# EAGLE board 14202-RedBoard-Panel (EAGLE 9.0.1), part 3 of 6 (continued)
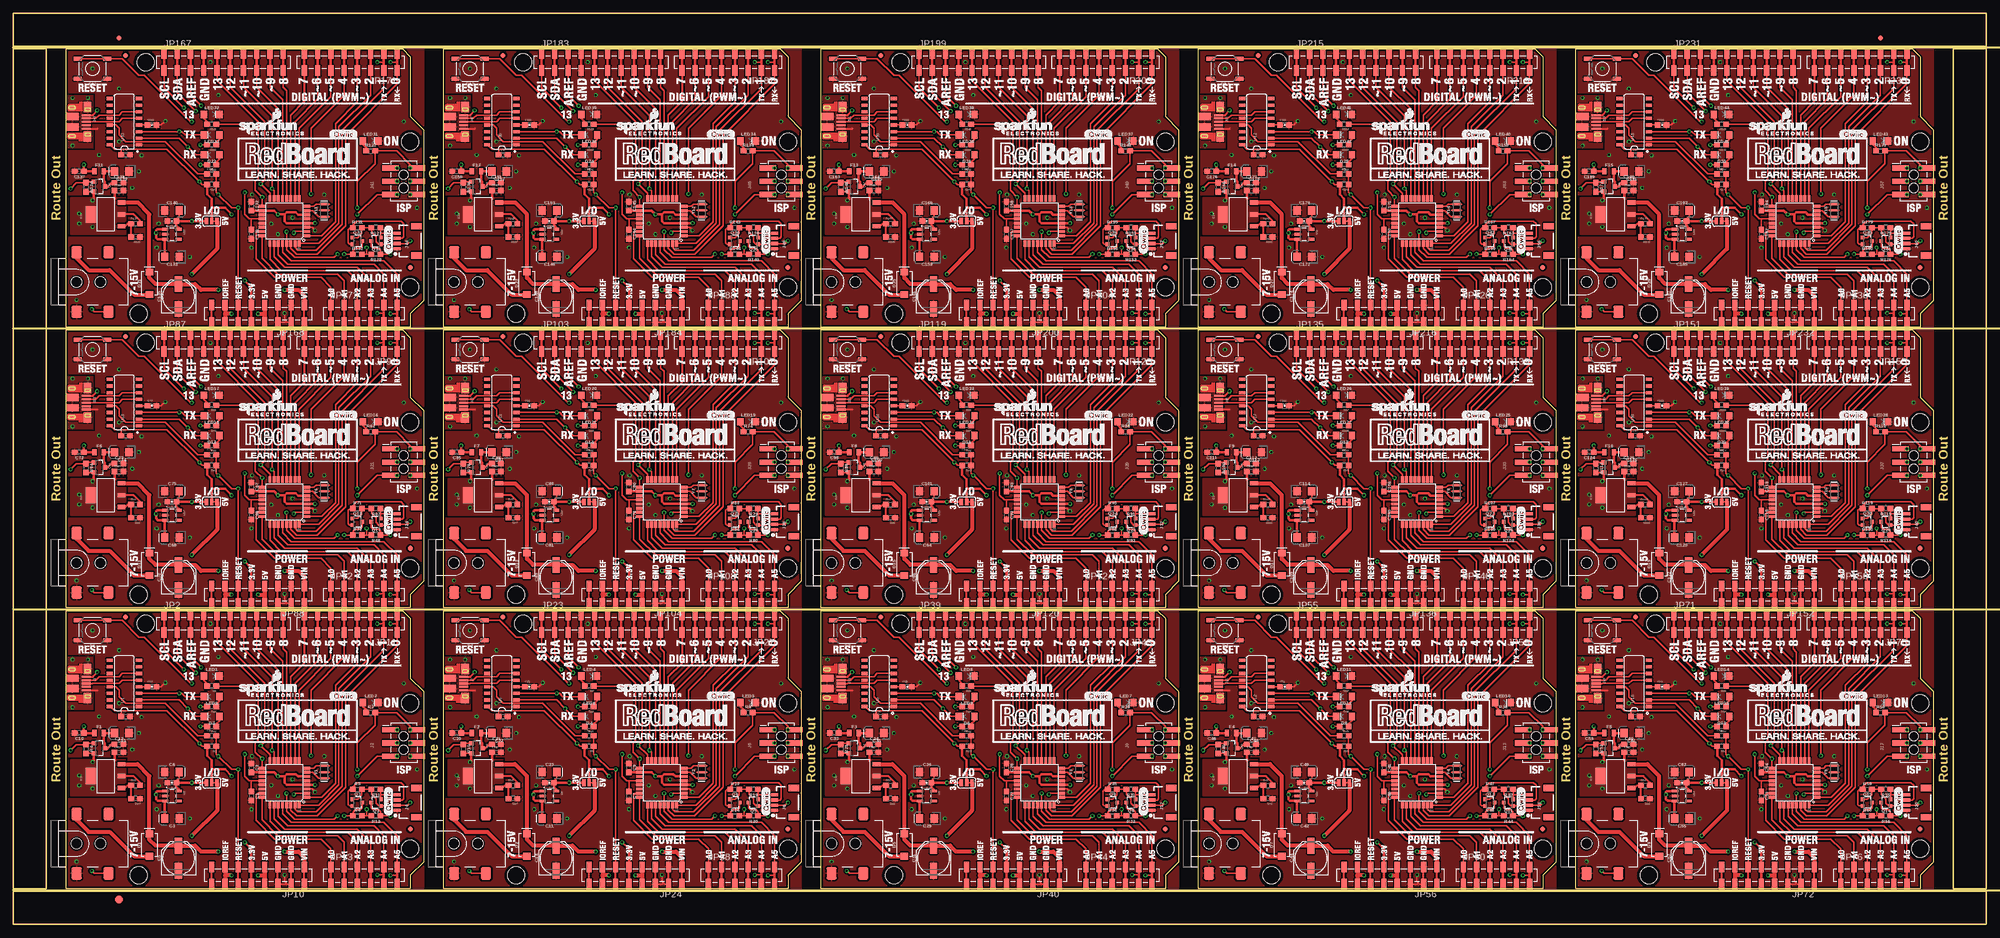
[diagram p0: board, top side]
## Tracks (layer width: path | path; a pad name or v marks a point on that pad's centre or on a via) (continued)
AD5/SCL4  (via drill 0.38)
  Top 0.254: 363.22,9.4 JP76.6B | JP71.1A JP71.1B
  Top 0.305: U13.28 341.23,21.23 342.9,19.56 359.92,19.56 360.68,19.56 363.22,17.02 JP76.6A 363.22,9.4 v361.95,9.4 | JP71.1B 318.52,52.7 v322.33,48.89
  Bottom 0.305: JP77.2 v361.95,9.4 361.06,8.51 358.9,8.51 351.66,15.75 336.04,15.75 329.82,21.97 329.82,41.78 322.71,48.89 v322.33,48.89
AD5/SCL5  (via drill 0.38)
  Top 0.254: 73.66,63.25 JP92.6B | JP87.1A JP87.1B
  Top 0.305: U16.28 51.67,75.08 53.34,73.41 70.36,73.41 71.12,73.41 73.66,70.87 JP92.6A 73.66,63.25 v72.39,63.25 | JP87.1B 28.96,106.55 v32.77,102.74
  Bottom 0.305: JP93.2 v72.39,63.25 71.5,62.36 69.34,62.36 62.1,69.6 46.48,69.6 40.26,75.82 40.26,95.63 33.15,102.74 v32.77,102.74
AD5/SCL6  (via drill 0.38)
  Top 0.254: 146.05,63.25 JP108.6B | JP103.1A JP103.1B
  Top 0.305: U19.28 124.06,75.08 125.73,73.41 142.75,73.41 143.51,73.41 146.05,70.87 JP108.6A 146.05,63.25 v144.78,63.25 | JP103.1B 101.35,106.55 v105.16,102.74
  Bottom 0.305: JP109.2 v144.78,63.25 143.89,62.36 141.73,62.36 134.49,69.6 118.87,69.6 112.65,75.82 112.65,95.63 105.54,102.74 v105.16,102.74
AD5/SCL7  (via drill 0.38)
  Top 0.254: 218.44,63.25 JP124.6B | JP119.1A JP119.1B
  Top 0.305: U22.28 196.45,75.08 198.12,73.41 215.14,73.41 215.9,73.41 218.44,70.87 JP124.6A 218.44,63.25 v217.17,63.25 | JP119.1B 173.74,106.55 v177.55,102.74
  Bottom 0.305: JP125.2 v217.17,63.25 216.28,62.36 214.12,62.36 206.88,69.6 191.26,69.6 185.04,75.82 185.04,95.63 177.93,102.74 v177.55,102.74
AD5/SCL8  (via drill 0.38)
  Top 0.254: 290.83,63.25 JP140.6B | JP135.1A JP135.1B
  Top 0.305: U25.28 268.84,75.08 270.51,73.41 287.53,73.41 288.29,73.41 290.83,70.87 JP140.6A 290.83,63.25 v289.56,63.25 | JP135.1B 246.13,106.55 v249.94,102.74
  Bottom 0.305: JP141.2 v289.56,63.25 288.67,62.36 286.51,62.36 279.27,69.6 263.65,69.6 257.43,75.82 257.43,95.63 250.32,102.74 v249.94,102.74
AD5/SCL9  (via drill 0.38)
  Top 0.254: 363.22,63.25 JP156.6B | JP151.1A JP151.1B
  Top 0.305: U28.28 341.23,75.08 342.9,73.41 359.92,73.41 360.68,73.41 363.22,70.87 JP156.6A 363.22,63.25 v361.95,63.25 | JP151.1B 318.52,106.55 v322.33,102.74
  Bottom 0.305: JP157.2 v361.95,63.25 361.06,62.36 358.9,62.36 351.66,69.6 336.04,69.6 329.82,75.82 329.82,95.63 322.71,102.74 v322.33,102.74
AD5/SCL10  (via drill 0.38)
  Top 0.254: 73.66,117.09 JP172.6B | JP167.1A JP167.1B
  Top 0.305: U31.28 51.67,128.92 53.34,127.25 70.36,127.25 71.12,127.25 73.66,124.71 JP172.6A 73.66,117.09 v72.39,117.09 | JP167.1B 28.96,160.4 v32.77,156.59
  Bottom 0.305: JP173.2 v72.39,117.09 71.5,116.2 69.34,116.2 62.1,123.44 46.48,123.44 40.26,129.67 40.26,149.48 33.15,156.59 v32.77,156.59
AD5/SCL11  (via drill 0.38)
  Top 0.254: 146.05,117.09 JP188.6B | JP183.1A JP183.1B
  Top 0.305: U34.28 124.06,128.92 125.73,127.25 142.75,127.25 143.51,127.25 146.05,124.71 JP188.6A 146.05,117.09 v144.78,117.09 | JP183.1B 101.35,160.4 v105.16,156.59
  Bottom 0.305: JP189.2 v144.78,117.09 143.89,116.2 141.73,116.2 134.49,123.44 118.87,123.44 112.65,129.67 112.65,149.48 105.54,156.59 v105.16,156.59
AD5/SCL12  (via drill 0.38)
  Top 0.254: 218.44,117.09 JP204.6B | JP199.1A JP199.1B
  Top 0.305: U37.28 196.45,128.92 198.12,127.25 215.14,127.25 215.9,127.25 218.44,124.71 JP204.6A 218.44,117.09 v217.17,117.09 | JP199.1B 173.74,160.4 v177.55,156.59
  Bottom 0.305: JP205.2 v217.17,117.09 216.28,116.2 214.12,116.2 206.88,123.44 191.26,123.44 185.04,129.67 185.04,149.48 177.93,156.59 v177.55,156.59
AD5/SCL13  (via drill 0.38)
  Top 0.254: 290.83,117.09 JP220.6B | JP215.1A JP215.1B
  Top 0.305: U40.28 268.84,128.92 270.51,127.25 287.53,127.25 288.29,127.25 290.83,124.71 JP220.6A 290.83,117.09 v289.56,117.09 | JP215.1B 246.13,160.4 v249.94,156.59
  Bottom 0.305: JP221.2 v289.56,117.09 288.67,116.2 286.51,116.2 279.27,123.44 263.65,123.44 257.43,129.67 257.43,149.48 250.32,156.59 v249.94,156.59
AD5/SCL14  (via drill 0.38)
  Top 0.254: 363.22,117.09 JP236.6B | JP231.1A JP231.1B
  Top 0.305: U43.28 341.23,128.92 342.9,127.25 359.92,127.25 360.68,127.25 363.22,124.71 JP236.6A 363.22,117.09 v361.95,117.09 | JP231.1B 318.52,160.4 v322.33,156.59
  Bottom 0.305: JP237.2 v361.95,117.09 361.06,116.2 358.9,116.2 351.66,123.44 336.04,123.44 329.82,129.67 329.82,149.48 322.71,156.59 v322.33,156.59
AD6
  Top 0.254: JP28.3B 138.43,8.13
  Top 0.305: U2.25 121.66,19.82 123.83,17.65 136.53,17.65 138.43,15.75 138.43,8.13 JP28.3A
AD7
  Top 0.254: JP28.4A JP28.4B
  Top 0.305: U2.26 122.46,20.29 124.46,18.29 138.43,18.29 140.97,15.75 JP28.4A
AD8
  Top 0.254: JP44.1B JP44.1A
  Top 0.305: JP44.1A 205.74,14.48 203.84,16.38 194.94,16.38 191.39,19.94 191.39,24.89 191.67,25.18 U7.23
AD9
  Top 0.254: JP44.2A JP44.2B
  Top 0.305: U7.24 192.56,20.04 195.58,17.02 207.01,17.02 208.28,15.75 JP44.2A
AD10
  Top 0.254: JP44.3B 210.82,8.13
  Top 0.305: U7.25 194.05,19.82 196.22,17.65 208.91,17.65 210.82,15.75 210.82,8.13 JP44.3A
AD11
  Top 0.254: JP44.4A JP44.4B
  Top 0.305: U7.26 194.85,20.29 196.85,18.29 210.82,18.29 213.36,15.75 JP44.4A
AD12
  Top 0.254: JP60.1B JP60.1A
  Top 0.305: JP60.1A 278.13,14.48 276.23,16.38 267.34,16.38 263.78,19.94 263.78,24.89 264.06,25.18 U10.23
AD13
  Top 0.254: JP60.2A JP60.2B
  Top 0.305: U10.24 264.95,20.04 267.97,17.02 279.4,17.02 280.67,15.75 JP60.2A
AD14
  Top 0.254: JP60.3B 283.21,8.13
  Top 0.305: U10.25 266.44,19.82 268.61,17.65 281.31,17.65 283.21,15.75 283.21,8.13 JP60.3A
AD15
  Top 0.254: JP60.4A JP60.4B
  Top 0.305: U10.26 267.24,20.29 269.24,18.29 283.21,18.29 285.75,15.75 JP60.4A
AD16
  Top 0.254: JP76.1B JP76.1A
  Top 0.305: JP76.1A 350.52,14.48 348.62,16.38 339.73,16.38 336.17,19.94 336.17,24.89 336.46,25.18 U13.23
AD17
  Top 0.254: JP76.2A JP76.2B
  Top 0.305: U13.24 337.34,20.04 340.36,17.02 351.79,17.02 353.06,15.75 JP76.2A
AD18
  Top 0.254: JP76.3B 355.6,8.13
  Top 0.305: U13.25 338.83,19.82 341,17.65 353.7,17.65 355.6,15.75 355.6,8.13 JP76.3A
AD19
  Top 0.254: JP76.4A JP76.4B
  Top 0.305: U13.26 339.63,20.29 341.63,18.29 355.6,18.29 358.14,15.75 JP76.4A
AD20
  Top 0.254: JP92.1B JP92.1A
  Top 0.305: JP92.1A 60.96,68.33 59.06,70.23 50.17,70.23 46.61,73.79 46.61,78.74 46.89,79.03 U16.23
AD21
  Top 0.254: JP92.2A JP92.2B
  Top 0.305: U16.24 47.78,73.89 50.8,70.87 62.23,70.87 63.5,69.6 JP92.2A
AD22
  Top 0.254: JP92.3B 66.04,61.98
  Top 0.305: U16.25 49.27,73.67 51.44,71.5 64.14,71.5 66.04,69.6 66.04,61.98 JP92.3A
AD23
  Top 0.254: JP92.4A JP92.4B
  Top 0.305: U16.26 50.07,74.14 52.07,72.14 66.04,72.14 68.58,69.6 JP92.4A
AD24
  Top 0.254: JP108.1B JP108.1A
  Top 0.305: JP108.1A 133.35,68.33 131.44,70.23 122.55,70.23 119,73.79 119,78.74 119.28,79.03 U19.23
AD25
  Top 0.254: JP108.2A JP108.2B
  Top 0.305: U19.24 120.17,73.89 123.19,70.87 134.62,70.87 135.89,69.6 JP108.2A
AD26
  Top 0.254: JP108.3B 138.43,61.98
  Top 0.305: U19.25 121.66,73.67 123.83,71.5 136.53,71.5 138.43,69.6 138.43,61.98 JP108.3A
AD27
  Top 0.254: JP108.4A JP108.4B
  Top 0.305: U19.26 122.46,74.14 124.46,72.14 138.43,72.14 140.97,69.6 JP108.4A
AD28
  Top 0.254: JP124.1B JP124.1A
  Top 0.305: JP124.1A 205.74,68.33 203.84,70.23 194.94,70.23 191.39,73.79 191.39,78.74 191.67,79.03 U22.23
AD29
  Top 0.254: JP124.2A JP124.2B
  Top 0.305: U22.24 192.56,73.89 195.58,70.87 207.01,70.87 208.28,69.6 JP124.2A
AD30
  Top 0.254: JP124.3B 210.82,61.98
  Top 0.305: U22.25 194.05,73.67 196.22,71.5 208.91,71.5 210.82,69.6 210.82,61.98 JP124.3A
AD31
  Top 0.254: JP124.4A JP124.4B
  Top 0.305: U22.26 194.85,74.14 196.85,72.14 210.82,72.14 213.36,69.6 JP124.4A
AD32
  Top 0.254: JP140.1B JP140.1A
  Top 0.305: JP140.1A 278.13,68.33 276.23,70.23 267.34,70.23 263.78,73.79 263.78,78.74 264.06,79.03 U25.23
AD33
  Top 0.254: JP140.2A JP140.2B
  Top 0.305: U25.24 264.95,73.89 267.97,70.87 279.4,70.87 280.67,69.6 JP140.2A
AD34
  Top 0.254: JP140.3B 283.21,61.98
  Top 0.305: U25.25 266.44,73.67 268.61,71.5 281.31,71.5 283.21,69.6 283.21,61.98 JP140.3A
AD35
  Top 0.254: JP140.4A JP140.4B
  Top 0.305: U25.26 267.24,74.14 269.24,72.14 283.21,72.14 285.75,69.6 JP140.4A
AD36
  Top 0.254: JP156.1B JP156.1A
  Top 0.305: JP156.1A 350.52,68.33 348.62,70.23 339.73,70.23 336.17,73.79 336.17,78.74 336.46,79.03 U28.23
AD37
  Top 0.254: JP156.2A JP156.2B
  Top 0.305: U28.24 337.34,73.89 340.36,70.87 351.79,70.87 353.06,69.6 JP156.2A
AD38
  Top 0.254: JP156.3B 355.6,61.98
  Top 0.305: U28.25 338.83,73.67 341,71.5 353.7,71.5 355.6,69.6 355.6,61.98 JP156.3A
AD39
  Top 0.254: JP156.4A JP156.4B
  Top 0.305: U28.26 339.63,74.14 341.63,72.14 355.6,72.14 358.14,69.6 JP156.4A
AD40
  Top 0.254: JP172.1B JP172.1A
  Top 0.305: JP172.1A 60.96,122.17 59.06,124.08 50.17,124.08 46.61,127.64 46.61,132.59 46.89,132.87 U31.23
AD41
  Top 0.254: JP172.2A JP172.2B
  Top 0.305: U31.24 47.78,127.74 50.8,124.71 62.23,124.71 63.5,123.44 JP172.2A
AD42
  Top 0.254: JP172.3B 66.04,115.82
  Top 0.305: U31.25 49.27,127.51 51.44,125.35 64.14,125.35 66.04,123.44 66.04,115.82 JP172.3A
AD43
  Top 0.254: JP172.4A JP172.4B
  Top 0.305: U31.26 50.07,127.98 52.07,125.98 66.04,125.98 68.58,123.44 JP172.4A
AD44
  Top 0.254: JP188.1B JP188.1A
  Top 0.305: JP188.1A 133.35,122.17 131.44,124.08 122.55,124.08 119,127.64 119,132.59 119.28,132.87 U34.23
AD45
  Top 0.254: JP188.2A JP188.2B
  Top 0.305: U34.24 120.17,127.74 123.19,124.71 134.62,124.71 135.89,123.44 JP188.2A
AD46
  Top 0.254: JP188.3B 138.43,115.82
  Top 0.305: U34.25 121.66,127.51 123.83,125.35 136.53,125.35 138.43,123.44 138.43,115.82 JP188.3A
AD47
  Top 0.254: JP188.4A JP188.4B
  Top 0.305: U34.26 122.46,127.98 124.46,125.98 138.43,125.98 140.97,123.44 JP188.4A
AD48
  Top 0.254: JP204.1B JP204.1A
  Top 0.305: JP204.1A 205.74,122.17 203.84,124.08 194.94,124.08 191.39,127.64 191.39,132.59 191.67,132.87 U37.23
AD49
  Top 0.254: JP204.2A JP204.2B
  Top 0.305: U37.24 192.56,127.74 195.58,124.71 207.01,124.71 208.28,123.44 JP204.2A
AD50
  Top 0.254: JP204.3B 210.82,115.82
  Top 0.305: U37.25 194.05,127.51 196.22,125.35 208.91,125.35 210.82,123.44 210.82,115.82 JP204.3A
AD51
  Top 0.254: JP204.4A JP204.4B
  Top 0.305: U37.26 194.85,127.98 196.85,125.98 210.82,125.98 213.36,123.44 JP204.4A
AD52
  Top 0.254: JP220.1B JP220.1A
  Top 0.305: JP220.1A 278.13,122.17 276.23,124.08 267.34,124.08 263.78,127.64 263.78,132.59 264.06,132.87 U40.23
AD53
  Top 0.254: JP220.2A JP220.2B
  Top 0.305: U40.24 264.95,127.74 267.97,124.71 279.4,124.71 280.67,123.44 JP220.2A
AD54
  Top 0.254: JP220.3B 283.21,115.82
  Top 0.305: U40.25 266.44,127.51 268.61,125.35 281.31,125.35 283.21,123.44 283.21,115.82 JP220.3A
AD55
  Top 0.254: JP220.4A JP220.4B
  Top 0.305: U40.26 267.24,127.98 269.24,125.98 283.21,125.98 285.75,123.44 JP220.4A
AD56
  Top 0.254: JP236.1B JP236.1A
  Top 0.305: JP236.1A 350.52,122.17 348.62,124.08 339.73,124.08 336.17,127.64 336.17,132.59 336.46,132.87 U43.23
AD57
  Top 0.254: JP236.2A JP236.2B
  Top 0.305: U43.24 337.34,127.74 340.36,124.71 351.79,124.71 353.06,123.44 JP236.2A
AD58
  Top 0.254: JP236.3B 355.6,115.82
  Top 0.305: U43.25 338.83,127.51 341,125.35 353.7,125.35 355.6,123.44 355.6,115.82 JP236.3A
AD59
  Top 0.254: JP236.4A JP236.4B
  Top 0.305: U43.26 339.63,127.98 341.63,125.98 355.6,125.98 358.14,123.44 JP236.4A
AREF  (via drill 0.38)
  Top 0.254: JP2.3A JP2.3B
  Top 0.305: 45.72,27.58 45.32,27.58 44.45,28.45 v44.45,32.64 | 45.72,27.58 U4.20 | C1.1 45.72,27.58 | JP2.3B 34.04,51.31 v36.07,49.28
  Bottom 0.305: v36.07,49.28 44.45,40.89 v44.45,32.64
AREF1  (via drill 0.38)
  Top 0.254: JP23.3A JP23.3B
  Top 0.305: 118.11,27.58 117.71,27.58 116.84,28.45 v116.84,32.64 | 118.11,27.58 U2.20 | C7.1 118.11,27.58 | JP23.3B 106.43,51.31 v108.46,49.28
  Bottom 0.305: v108.46,49.28 116.84,40.89 v116.84,32.64
AREF2  (via drill 0.38)
  Top 0.254: JP39.3A JP39.3B
  Top 0.305: 190.5,27.58 190.1,27.58 189.23,28.45 v189.23,32.64 | 190.5,27.58 U7.20 | C27.1 190.5,27.58 | JP39.3B 178.82,51.31 v180.85,49.28
  Bottom 0.305: v180.85,49.28 189.23,40.89 v189.23,32.64
AREF3  (via drill 0.38)
  Top 0.254: JP55.3A JP55.3B
  Top 0.305: 262.89,27.58 262.49,27.58 261.62,28.45 v261.62,32.64 | 262.89,27.58 U10.20 | C40.1 262.89,27.58 | JP55.3B 251.21,51.31 v253.24,49.28
  Bottom 0.305: v253.24,49.28 261.62,40.89 v261.62,32.64
AREF4  (via drill 0.38)
  Top 0.254: JP71.3A JP71.3B
  Top 0.305: 335.28,27.58 334.88,27.58 334.01,28.45 v334.01,32.64 | 335.28,27.58 U13.20 | C53.1 335.28,27.58 | JP71.3B 323.6,51.31 v325.63,49.28
  Bottom 0.305: v325.63,49.28 334.01,40.89 v334.01,32.64
AREF5  (via drill 0.38)
  Top 0.254: JP87.3A JP87.3B
  Top 0.305: 45.72,81.43 45.32,81.43 44.45,82.3 v44.45,86.49 | 45.72,81.43 U16.20 | C66.1 45.72,81.43 | JP87.3B 34.04,105.16 v36.07,103.12
  Bottom 0.305: v36.07,103.12 44.45,94.74 v44.45,86.49
AREF6  (via drill 0.38)
  Top 0.254: JP103.3A JP103.3B
  Top 0.305: 118.11,81.43 117.71,81.43 116.84,82.3 v116.84,86.49 | 118.11,81.43 U19.20 | C79.1 118.11,81.43 | JP103.3B 106.43,105.16 v108.46,103.12
  Bottom 0.305: v108.46,103.12 116.84,94.74 v116.84,86.49
AREF7  (via drill 0.38)
  Top 0.254: JP119.3A JP119.3B
  Top 0.305: 190.5,81.43 190.1,81.43 189.23,82.3 v189.23,86.49 | 190.5,81.43 U22.20 | C92.1 190.5,81.43 | JP119.3B 178.82,105.16 v180.85,103.12
  Bottom 0.305: v180.85,103.12 189.23,94.74 v189.23,86.49
AREF8  (via drill 0.38)
  Top 0.254: JP135.3A JP135.3B
  Top 0.305: 262.89,81.43 262.49,81.43 261.62,82.3 v261.62,86.49 | 262.89,81.43 U25.20 | C105.1 262.89,81.43 | JP135.3B 251.21,105.16 v253.24,103.12
  Bottom 0.305: v253.24,103.12 261.62,94.74 v261.62,86.49
AREF9  (via drill 0.38)
  Top 0.254: JP151.3A JP151.3B
  Top 0.305: 335.28,81.43 334.88,81.43 334.01,82.3 v334.01,86.49 | 335.28,81.43 U28.20 | C118.1 335.28,81.43 | JP151.3B 323.6,105.16 v325.63,103.12
  Bottom 0.305: v325.63,103.12 334.01,94.74 v334.01,86.49
AREF10  (via drill 0.38)
  Top 0.254: JP167.3A JP167.3B
  Top 0.305: 45.72,135.27 45.32,135.27 44.45,136.14 v44.45,140.34 | 45.72,135.27 U31.20 | C131.1 45.72,135.27 | JP167.3B 34.04,159 v36.07,156.97
  Bottom 0.305: v36.07,156.97 44.45,148.59 v44.45,140.34
AREF11  (via drill 0.38)
  Top 0.254: JP183.3A JP183.3B
  Top 0.305: 118.11,135.27 117.71,135.27 116.84,136.14 v116.84,140.34 | 118.11,135.27 U34.20 | C144.1 118.11,135.27 | JP183.3B 106.43,159 v108.46,156.97
  Bottom 0.305: v108.46,156.97 116.84,148.59 v116.84,140.34
AREF12  (via drill 0.38)
  Top 0.254: JP199.3A JP199.3B
  Top 0.305: 190.5,135.27 190.1,135.27 189.23,136.14 v189.23,140.34 | 190.5,135.27 U37.20 | C157.1 190.5,135.27 | JP199.3B 178.82,159 v180.85,156.97
  Bottom 0.305: v180.85,156.97 189.23,148.59 v189.23,140.34
AREF13  (via drill 0.38)
  Top 0.254: JP215.3A JP215.3B
  Top 0.305: 262.89,135.27 262.49,135.27 261.62,136.14 v261.62,140.34 | 262.89,135.27 U40.20 | C170.1 262.89,135.27 | JP215.3B 251.21,159 v253.24,156.97
  Bottom 0.305: v253.24,156.97 261.62,148.59 v261.62,140.34
AREF14  (via drill 0.38)
  Top 0.254: JP231.3A JP231.3B
  Top 0.305: 335.28,135.27 334.88,135.27 334.01,136.14 v334.01,140.34 | 335.28,135.27 U43.20 | C183.1 335.28,135.27 | JP231.3B 323.6,159 v325.63,156.97
  Bottom 0.305: v325.63,156.97 334.01,148.59 v334.01,140.34
GND  (via drill 0.38, 0.38 pad 0.51)
  Top 0.254: 53.34,7.75 52.58,7.75 52.39,7.94 52.07,8.25 v52.07,9.52 | C17.2 28.45,45.59 v29.21,46.35
  Top 0.305: U4.3 57.33,25.98 v57.91,25.4 | JP10.3 52.2,7.75 52.39,7.94
  Top 0.381: J1.GND 16.2,44.9
  other vias: 15.24,56.39 74.93,46.23 50.8,24.64 37.85,57.66 53.59,27.81 59.69,32.26 45.85,32.26 12.19,12.06 39.37,51.31 77.47,29.72 27.94,26.67 27.56,22.1 76.2,32.26 16.51,39.88 24.13,36.7 24.64,39.75 22.86,33.53 20.32,42.42 20.32,52.58 33.91,20.32 45.72,22.1 49.53,26.67
  pour Top (isolate 0.305, rank 2): 10.16,60.2 78.74,60.2 78.74,6.86 10.16,6.86
  pour Bottom (isolate 0.305, rank 2): 10.16,60.2 78.74,60.2 78.74,6.86 10.16,6.86
GND1  (via drill 0.38, 0.38 pad 0.51)
  Top 0.254: 125.73,7.75 124.97,7.75 124.78,7.94 124.46,8.25 v124.46,9.52 | C25.2 100.84,45.59 v101.6,46.35
  Top 0.305: U2.3 129.72,25.98 v130.3,25.4 | JP24.3 124.59,7.75 124.78,7.94
  Top 0.381: J7.GND 88.58,44.9
  other vias: 87.63,56.39 147.32,46.23 123.19,24.64 110.24,57.66 125.98,27.81 132.08,32.26 118.24,32.26 84.58,12.06 111.76,51.31 149.86,29.72 100.33,26.67 99.95,22.1 148.59,32.26 88.9,39.88 96.52,36.7 97.03,39.75 95.25,33.53 92.71,42.42 92.71,52.58 106.3,20.32 118.11,22.1 121.92,26.67
  pour Top (isolate 0.305, rank 2): 82.55,60.2 151.13,60.2 151.13,6.86 82.55,6.86
  pour Bottom (isolate 0.305, rank 2): 82.55,60.2 151.13,60.2 151.13,6.86 82.55,6.86
GND2  (via drill 0.38, 0.38 pad 0.51)
  Top 0.254: 198.12,7.75 197.36,7.75 197.17,7.94 196.85,8.25 v196.85,9.52 | C38.2 173.23,45.59 v173.99,46.35
  Top 0.305: U7.3 202.11,25.98 v202.69,25.4 | JP40.3 196.98,7.75 197.17,7.94
  Top 0.381: J11.GND 160.97,44.9
  other vias: 160.02,56.39 219.71,46.23 195.58,24.64 182.63,57.66 198.37,27.81 204.47,32.26 190.63,32.26 156.97,12.06 184.15,51.31 222.25,29.72 172.72,26.67 172.34,22.1 220.98,32.26 161.29,39.88 168.91,36.7 169.42,39.75 167.64,33.53 165.1,42.42 165.1,52.58 178.69,20.32 190.5,22.1 194.31,26.67
  pour Top (isolate 0.305, rank 2): 154.94,60.2 223.52,60.2 223.52,6.86 154.94,6.86
  pour Bottom (isolate 0.305, rank 2): 154.94,60.2 223.52,60.2 223.52,6.86 154.94,6.86
GND3  (via drill 0.38, 0.38 pad 0.51)
  Top 0.254: 270.51,7.75 269.75,7.75 269.56,7.94 269.24,8.25 v269.24,9.52 | C51.2 245.62,45.59 v246.38,46.35
  Top 0.305: U10.3 274.5,25.98 v275.08,25.4 | JP56.3 269.37,7.75 269.56,7.94
  Top 0.381: J15.GND 233.37,44.9
  other vias: 232.41,56.39 292.1,46.23 267.97,24.64 255.02,57.66 270.76,27.81 276.86,32.26 263.02,32.26 229.36,12.06 256.54,51.31 294.64,29.72 245.11,26.67 244.73,22.1 293.37,32.26 233.68,39.88 241.3,36.7 241.81,39.75 240.03,33.53 237.49,42.42 237.49,52.58 251.08,20.32 262.89,22.1 266.7,26.67
  pour Top (isolate 0.305, rank 2): 227.33,60.2 295.91,60.2 295.91,6.86 227.33,6.86
  pour Bottom (isolate 0.305, rank 2): 227.33,60.2 295.91,60.2 295.91,6.86 227.33,6.86
GND4  (via drill 0.38, 0.38 pad 0.51)
  Top 0.254: 342.9,7.75 342.14,7.75 341.95,7.94 341.63,8.25 v341.63,9.52 | C64.2 318.01,45.59 v318.77,46.35
  Top 0.305: U13.3 346.89,25.98 v347.47,25.4 | JP72.3 341.76,7.75 341.95,7.94
  Top 0.381: J19.GND 305.76,44.9
  other vias: 304.8,56.39 364.49,46.23 340.36,24.64 327.41,57.66 343.15,27.81 349.25,32.26 335.41,32.26 301.75,12.06 328.93,51.31 367.03,29.72 317.5,26.67 317.12,22.1 365.76,32.26 306.07,39.88 313.69,36.7 314.2,39.75 312.42,33.53 309.88,42.42 309.88,52.58 323.47,20.32 335.28,22.1 339.09,26.67
  pour Top (isolate 0.305, rank 2): 299.72,60.2 368.3,60.2 368.3,6.86 299.72,6.86
  pour Bottom (isolate 0.305, rank 2): 299.72,60.2 368.3,60.2 368.3,6.86 299.72,6.86
GND5  (via drill 0.38, 0.38 pad 0.51)
  Top 0.254: 53.34,61.6 52.58,61.6 52.39,61.79 52.07,62.1 v52.07,63.37 | C77.2 28.45,99.44 v29.21,100.2
  Top 0.305: U16.3 57.33,79.83 v57.91,79.25 | JP88.3 52.2,61.6 52.39,61.79
  Top 0.381: J23.GND 16.2,98.75
  other vias: 15.24,110.24 74.93,100.08 50.8,78.49 37.85,111.51 53.59,81.66 59.69,86.11 45.85,86.11 12.19,65.91 39.37,105.16 77.47,83.57 27.94,80.52 27.56,75.95 76.2,86.11 16.51,93.73 24.13,90.55 24.64,93.6 22.86,87.38 20.32,96.27 20.32,106.43 33.91,74.17 45.72,75.95 49.53,80.52
  pour Top (isolate 0.305, rank 2): 10.16,114.05 78.74,114.05 78.74,60.71 10.16,60.71
  pour Bottom (isolate 0.305, rank 2): 10.16,114.05 78.74,114.05 78.74,60.71 10.16,60.71
GND6  (via drill 0.38, 0.38 pad 0.51)
  Top 0.254: 125.73,61.6 124.97,61.6 124.78,61.79 124.46,62.1 v124.46,63.37 | C90.2 100.84,99.44 v101.6,100.2
  Top 0.305: U19.3 129.72,79.83 v130.3,79.25 | JP104.3 124.59,61.6 124.78,61.79
  Top 0.381: J27.GND 88.58,98.75
  other vias: 87.63,110.24 147.32,100.08 123.19,78.49 110.24,111.51 125.98,81.66 132.08,86.11 118.24,86.11 84.58,65.91 111.76,105.16 149.86,83.57 100.33,80.52 99.95,75.95 148.59,86.11 88.9,93.73 96.52,90.55 97.03,93.6 95.25,87.38 92.71,96.27 92.71,106.43 106.3,74.17 118.11,75.95 121.92,80.52
  pour Top (isolate 0.305, rank 2): 82.55,114.05 151.13,114.05 151.13,60.71 82.55,60.71
  pour Bottom (isolate 0.305, rank 2): 82.55,114.05 151.13,114.05 151.13,60.71 82.55,60.71
GND7  (via drill 0.38, 0.38 pad 0.51)
  Top 0.254: 198.12,61.6 197.36,61.6 197.17,61.79 196.85,62.1 v196.85,63.37 | C103.2 173.23,99.44 v173.99,100.2
  Top 0.305: U22.3 202.11,79.83 v202.69,79.25 | JP120.3 196.98,61.6 197.17,61.79
  Top 0.381: J31.GND 160.97,98.75
  other vias: 160.02,110.24 219.71,100.08 195.58,78.49 182.63,111.51 198.37,81.66 204.47,86.11 190.63,86.11 156.97,65.91 184.15,105.16 222.25,83.57 172.72,80.52 172.34,75.95 220.98,86.11 161.29,93.73 168.91,90.55 169.42,93.6 167.64,87.38 165.1,96.27 165.1,106.43 178.69,74.17 190.5,75.95 194.31,80.52
  pour Top (isolate 0.305, rank 2): 154.94,114.05 223.52,114.05 223.52,60.71 154.94,60.71
  pour Bottom (isolate 0.305, rank 2): 154.94,114.05 223.52,114.05 223.52,60.71 154.94,60.71
GND8  (via drill 0.38, 0.38 pad 0.51)
  Top 0.254: 270.51,61.6 269.75,61.6 269.56,61.79 269.24,62.1 v269.24,63.37 | C116.2 245.62,99.44 v246.38,100.2
  Top 0.305: U25.3 274.5,79.83 v275.08,79.25 | JP136.3 269.37,61.6 269.56,61.79
  Top 0.381: J35.GND 233.37,98.75
  other vias: 232.41,110.24 292.1,100.08 267.97,78.49 255.02,111.51 270.76,81.66 276.86,86.11 263.02,86.11 229.36,65.91 256.54,105.16 294.64,83.57 245.11,80.52 244.73,75.95 293.37,86.11 233.68,93.73 241.3,90.55 241.81,93.6 240.03,87.38 237.49,96.27 237.49,106.43 251.08,74.17 262.89,75.95 266.7,80.52
  pour Top (isolate 0.305, rank 2): 227.33,114.05 295.91,114.05 295.91,60.71 227.33,60.71
  pour Bottom (isolate 0.305, rank 2): 227.33,114.05 295.91,114.05 295.91,60.71 227.33,60.71
GND9  (via drill 0.38, 0.38 pad 0.51)
  Top 0.254: 342.9,61.6 342.14,61.6 341.95,61.79 341.63,62.1 v341.63,63.37 | C129.2 318.01,99.44 v318.77,100.2
  Top 0.305: U28.3 346.89,79.83 v347.47,79.25 | JP152.3 341.76,61.6 341.95,61.79
  Top 0.381: J39.GND 305.76,98.75
  other vias: 304.8,110.24 364.49,100.08 340.36,78.49 327.41,111.51 343.15,81.66 349.25,86.11 335.41,86.11 301.75,65.91 328.93,105.16 367.03,83.57 317.5,80.52 317.12,75.95 365.76,86.11 306.07,93.73 313.69,90.55 314.2,93.6 312.42,87.38 309.88,96.27 309.88,106.43 323.47,74.17 335.28,75.95 339.09,80.52
  pour Top (isolate 0.305, rank 2): 299.72,114.05 368.3,114.05 368.3,60.71 299.72,60.71
  pour Bottom (isolate 0.305, rank 2): 299.72,114.05 368.3,114.05 368.3,60.71 299.72,60.71
GND10  (via drill 0.38, 0.38 pad 0.51)
  Top 0.254: 53.34,115.44 52.58,115.44 52.39,115.63 52.07,115.95 v52.07,117.22 | C142.2 28.45,153.29 v29.21,154.05
  Top 0.305: U31.3 57.33,133.67 v57.91,133.1 | JP168.3 52.2,115.44 52.39,115.63
  Top 0.381: J43.GND 16.2,152.59
  other vias: 15.24,164.08 74.93,153.92 50.8,132.33 37.85,165.35 53.59,135.51 59.69,139.95 45.85,139.95 12.19,119.76 39.37,159 77.47,137.41 27.94,134.37 27.56,129.79 76.2,139.95 16.51,147.57 24.13,144.4 24.64,147.45 22.86,141.22 20.32,150.11 20.32,160.27 33.91,128.02 45.72,129.79 49.53,134.37
  pour Top (isolate 0.305, rank 2): 10.16,167.89 78.74,167.89 78.74,114.55 10.16,114.55
  pour Bottom (isolate 0.305, rank 2): 10.16,167.89 78.74,167.89 78.74,114.55 10.16,114.55
GND11  (via drill 0.38, 0.38 pad 0.51)
  Top 0.254: 125.73,115.44 124.97,115.44 124.78,115.63 124.46,115.95 v124.46,117.22 | C155.2 100.84,153.29 v101.6,154.05
  Top 0.305: U34.3 129.72,133.67 v130.3,133.1 | JP184.3 124.59,115.44 124.78,115.63
  Top 0.381: J47.GND 88.58,152.59
  other vias: 87.63,164.08 147.32,153.92 123.19,132.33 110.24,165.35 125.98,135.51 132.08,139.95 118.24,139.95 84.58,119.76 111.76,159 149.86,137.41 100.33,134.37 99.95,129.79 148.59,139.95 88.9,147.57 96.52,144.4 97.03,147.45 95.25,141.22 92.71,150.11 92.71,160.27 106.3,128.02 118.11,129.79 121.92,134.37
  pour Top (isolate 0.305, rank 2): 82.55,167.89 151.13,167.89 151.13,114.55 82.55,114.55
  pour Bottom (isolate 0.305, rank 2): 82.55,167.89 151.13,167.89 151.13,114.55 82.55,114.55
GND12  (via drill 0.38, 0.38 pad 0.51)
  Top 0.254: 198.12,115.44 197.36,115.44 197.17,115.63 196.85,115.95 v196.85,117.22 | C168.2 173.23,153.29 v173.99,154.05
  Top 0.305: U37.3 202.11,133.67 v202.69,133.1 | JP200.3 196.98,115.44 197.17,115.63
  Top 0.381: J51.GND 160.97,152.59
  other vias: 160.02,164.08 219.71,153.92 195.58,132.33 182.63,165.35 198.37,135.51 204.47,139.95 190.63,139.95 156.97,119.76 184.15,159 222.25,137.41 172.72,134.37 172.34,129.79 220.98,139.95 161.29,147.57 168.91,144.4 169.42,147.45 167.64,141.22 165.1,150.11 165.1,160.27 178.69,128.02 190.5,129.79 194.31,134.37
  pour Top (isolate 0.305, rank 2): 154.94,167.89 223.52,167.89 223.52,114.55 154.94,114.55
  pour Bottom (isolate 0.305, rank 2): 154.94,167.89 223.52,167.89 223.52,114.55 154.94,114.55
GND13  (via drill 0.38, 0.38 pad 0.51)
  Top 0.254: 270.51,115.44 269.75,115.44 269.56,115.63 269.24,115.95 v269.24,117.22 | C181.2 245.62,153.29 v246.38,154.05
  Top 0.305: U40.3 274.5,133.67 v275.08,133.1 | JP216.3 269.37,115.44 269.56,115.63
  Top 0.381: J55.GND 233.37,152.59